# Altium PCB PCB_Project_Dangrangto.PcbDoc (part 1 of 2) (continued)
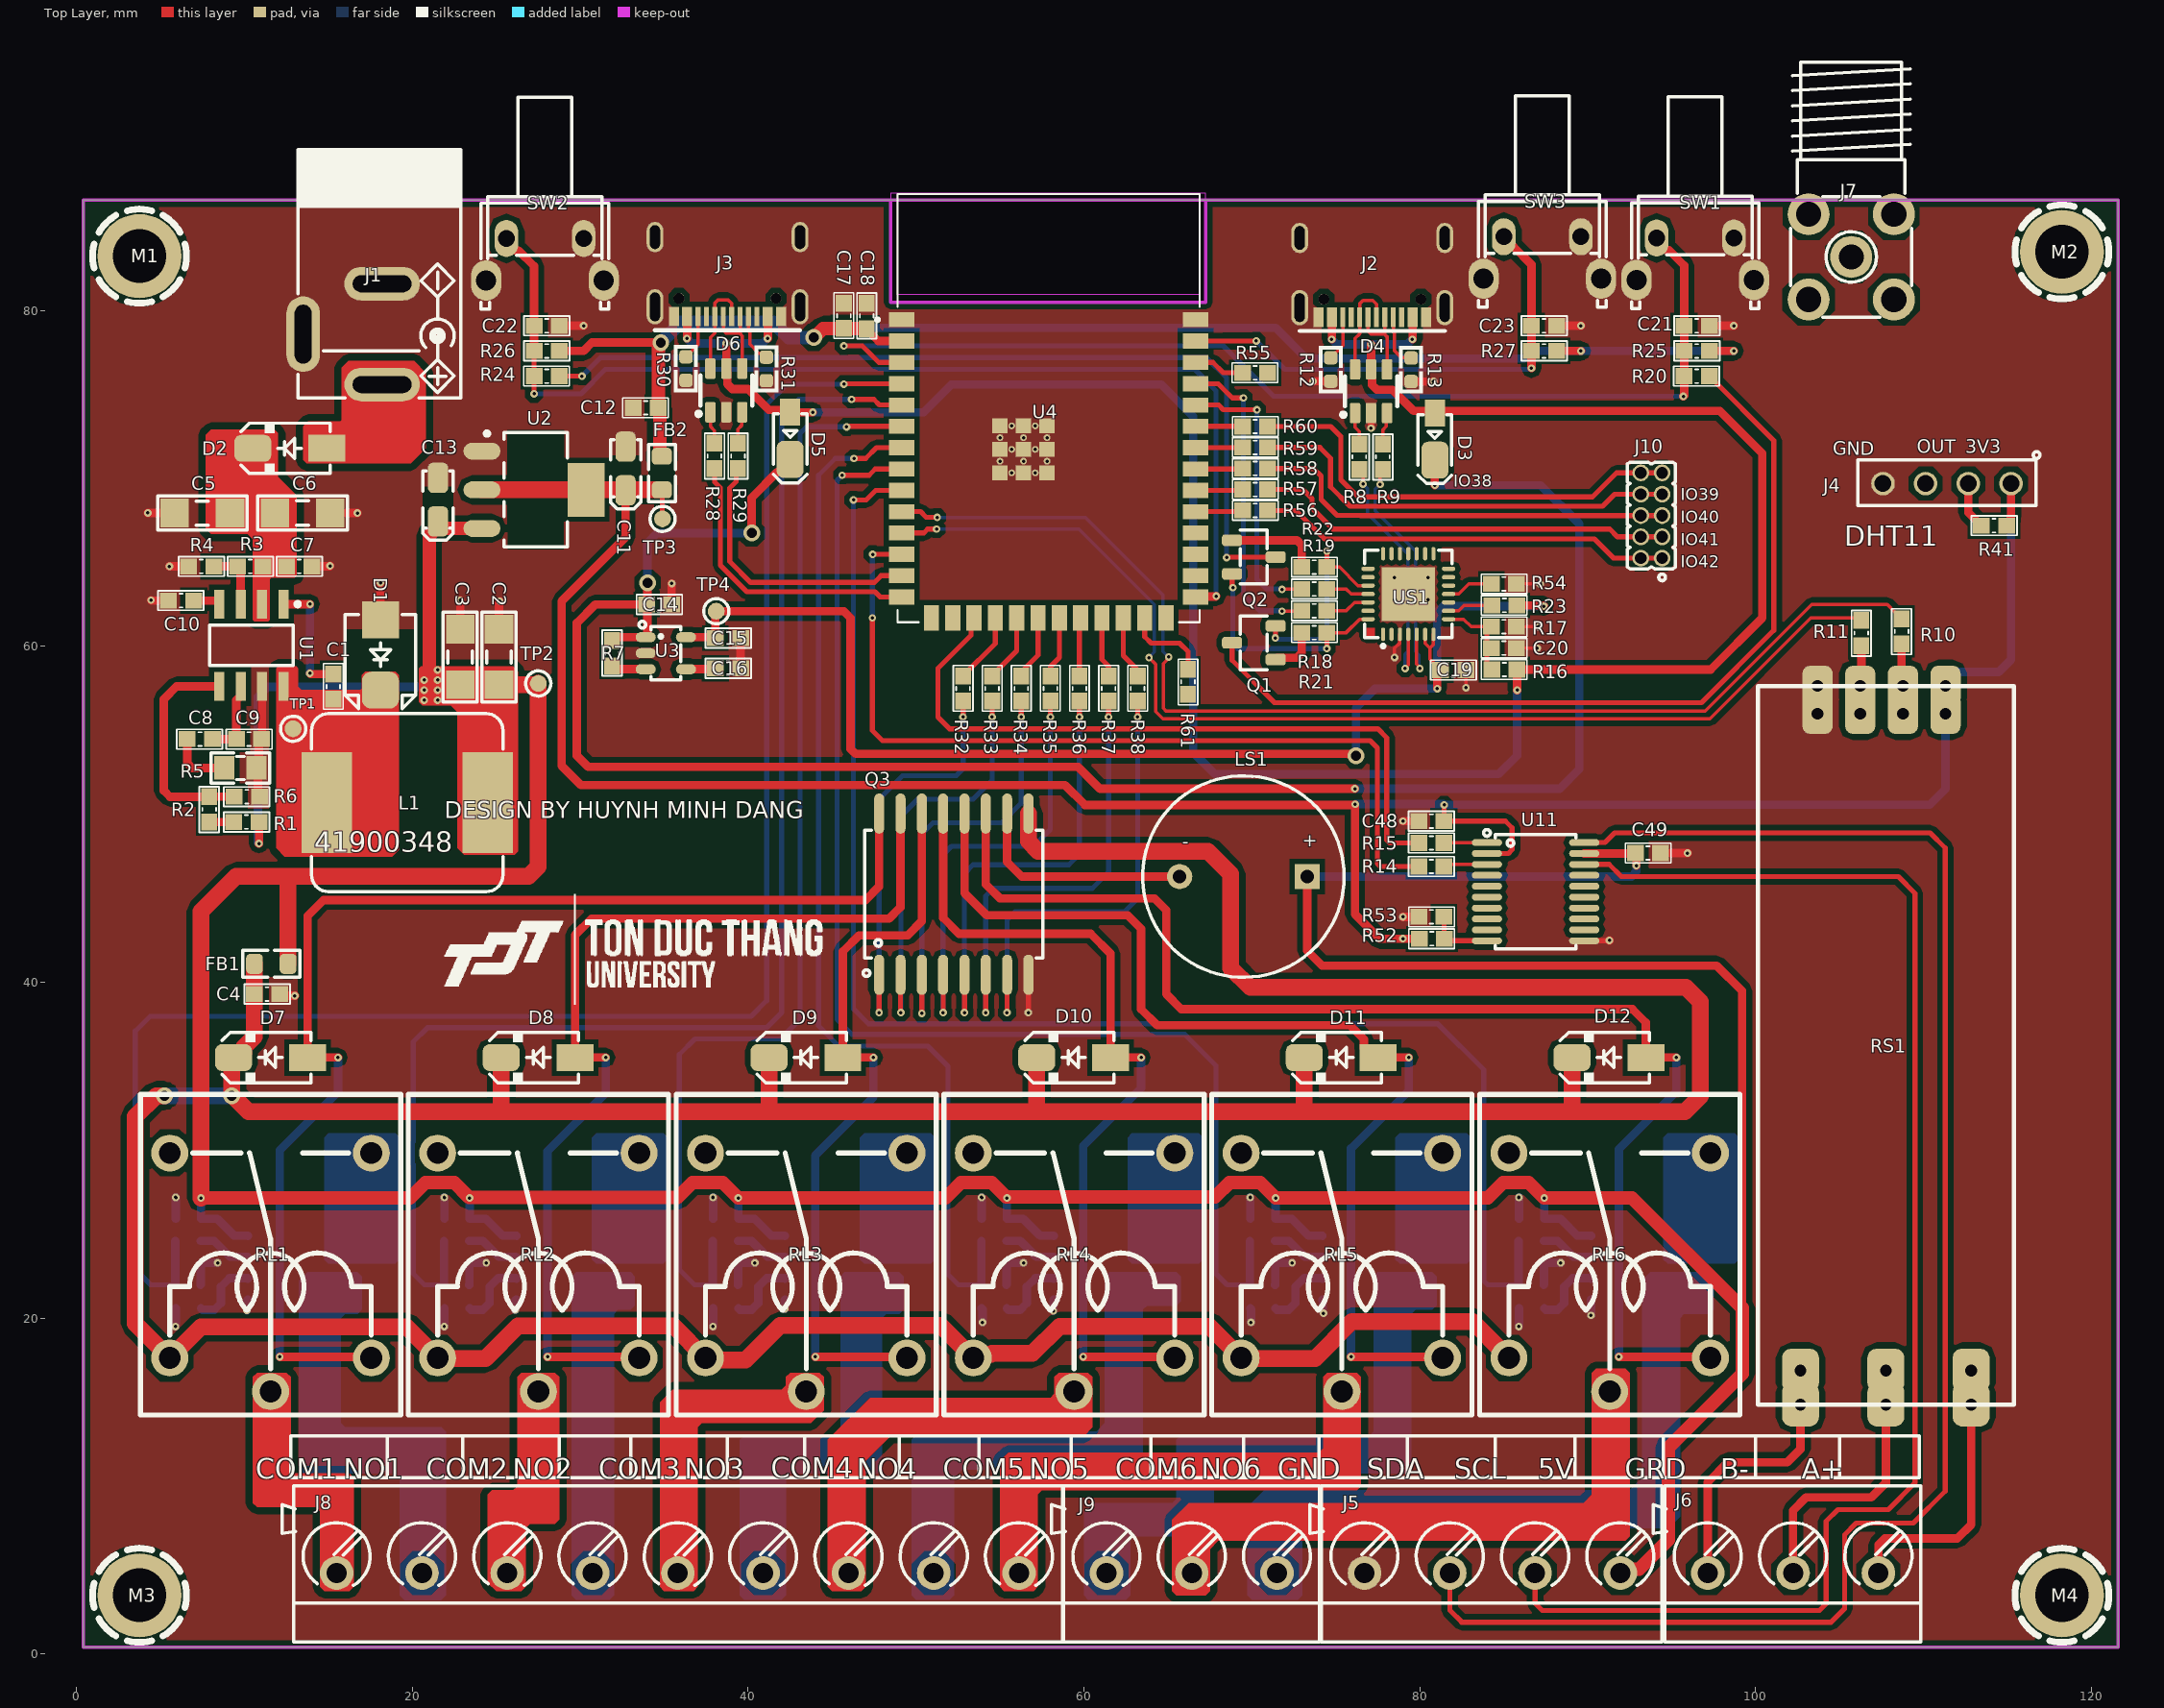
[diagram p0: Top Layer view]
## Components (designator, comment, footprint, x,y, rotation, side; value= is the part's Value field where it differs from the comment) (continued)
R57 "0R_0603_1%" "tro smd 0603" 70.2,69.35 r0 top
R58 "0R_0603_1%" "tro smd 0603" 70.2,70.6 r0 top
R59 "0R_0603_1%" "tro smd 0603" 70.2,71.85 r0 top
R60 "0R_0603_1%" "tro smd 0603" 70.2,73.1 r0 top
R61 "0R_0603_1%" "tro smd 0603" 66.2,57.9 r270 top
RL1 "Relay 5V/10A" RL_10A_5V 11.557,22.733 r90 top value="Relay SPDT, 10A, 12V"
RL2 "Relay 5V/10A" RL_10A_5V 27.508,22.733 r90 top value="Relay SPDT, 10A, 12V"
RL3 "Relay 5V/10A" RL_10A_5V 43.459,22.733 r90 top value="Relay SPDT, 10A, 12V"
RL4 "Relay 5V/10A" RL_10A_5V 59.411,22.733 r90 top value="Relay SPDT, 10A, 12V"
RL5 "Relay 5V/10A" RL_10A_5V 75.362,22.733 r90 top value="Relay SPDT, 10A, 12V"
RL6 "Relay 5V/10A" RL_10A_5V 91.313,22.733 r90 top value="Relay SPDT, 10A, 12V"
RS1 "RS485_VISION2" "RS485 - Version2" 91.25,79.75 r270 top
SW1 "PUSHBUTTON" SWPBT_SPST_R_6X6X10 96.407,84.328 r0 top
SW2 "PUSHBUTTON" SWPBT_SPST_R_6X6X10 27.9,84.3 r0 top
SW3 "PUSHBUTTON" SWPBT_SPST_R_6X6X10 87.3,84.4 r0 top
TP1 "TESTPOINT_PROBE" TEST_POINT_1.0X1.0MM 12.9,55.1 r0 top value=VALUE
TP2 "TESTPOINT_PROBE" TEST_POINT_1.0X1.0MM 27.5,57.8 r90 top value=VALUE
TP3 "TESTPOINT_PROBE" TEST_POINT_1.0X1.0MM 34.9,67.6 r0 top value=VALUE
TP4 "TESTPOINT_PROBE" TEST_POINT_1.0X1.0MM 38.1,62.1 r90 top value=VALUE
U1 "TPS54331DR_8SOIC" SOIC-8N 10.414,60.071 r270 top
U2 "LM1117IMP-3.3/NOPB" SOT223_4 27.348,69.331 r0 top value=LM1117MP-3.3
U3 "RT9193" SOT23_5 35.1,59.6 r0 top
U4 "ESP32-S3-WROOM-1-N8R8" XCVR_ESP32S3WROOM1N8R8 57.9,74.2 r0 top
U5 "ACS712_8SOIC" SO_8 13,23 r180 bottom value=ACS712
U6 "ACS712_8SOIC" SO_8 29,23 r180 bottom value=ACS712
U7 "ACS712_8SOIC" SO_8 45,23 r180 bottom value=ACS712
U8 "ACS712_8SOIC" SO_8 61,23 r180 bottom value=ACS712
U9 "ACS712_8SOIC" SO_8 77,23 r180 bottom value=ACS712
U10 "ACS712_8SOIC" SO_8 93,23 r180 bottom value=ACS712
U11 "TXS0108E" SOG65_20 86.9,45.4 r0 top
US1 "CP2102_QFN28" QFN50_28T 79.319,63.126 r90 top value=CP2102

## Footprints (in the part's own frame and the unit in brackets; to place one, negate y for a bottom-side part, rotate by r counter-clockwise, add the part's x,y. Pads: shape width x height; smd on the part's side, far side on the other; paste and mask are expansions set on the pad)
Buzzer [mm] "2PIN, 3.5mm pitch, 0.8mm pin width"
  rect 1.5x1.5 hole 0.8: 1(-3.8,0)
  round 1.5 hole 0.8: 2(3.8,0)
  silkscreen extent -6,-6 6,6, body extent -6.08,-6.01 9.37,5.99, height 9.65
C_TN_3216 [mm] "CAPACITOR, TAN A, 1206P, 3.2x1.6mm"
  rrect50% 1.8x1.2 smd mask+0.075: 1(-1.3,0) 2(1.3,0)
  Top Layer pour cut-out: -0.762,0.9 0.762,0.9 0.762,-0.9 -0.762,-0.9
  silkscreen extent -2.4,-0.9 1.7,0.9, body extent -1.7,-0.9 1.7,0.9, height 1.7
D_SMA [mm] "SMA Molded Diode, 2-Leads, Body 4.3x2.7mm, SOD-128"
  rect 2.2x1.6 smd: 1(-2.2,0)
  rrect50% 2.2x1.6 smd: 2(2.2,0)
  silkscreen extent -2.4,-1.5 2.9,1.5, body extent -2.75,-1.4 2.75,1.4, height 2.6
D_SMB [mm] "SMB Molded Diode, 2-Leads, Body 4.3x3.5mm"
  rect 2.2x2.2 smd: 1(-2.1,0)
  rrect50% 2.2x2.2 smd: 2(2.1,0)
  Top Layer pour cut-out: -1.524,2.1 -1.524,-2.1 1.524,-2.1 1.524,2.1
  silkscreen extent -2.4,-2.1 3.2,2.1, body extent -2.75,-1.95 2.75,1.95, height 2.45
D_SOD123W [mm] "PowerDI-123, SOD123, DO-213AA, 1206D"
  rect 1.6x1.2 smd mask+0.1: 1(-1.6,0)
  rrect50% 2.2x1.6 smd mask+0.1: 2(1.2,0)
  Top Layer pour cut-out: -1.016,1.1 -1.016,-1.1 1.016,-1.1 1.016,1.1
  silkscreen extent -1.5,-1 2.6,1, body extent -1.95,-0.97 1.95,0.96, height 1
HDR_F_1X4 [mm] "HEADER FEMALE pitch: 2.54mm"
  round 1.4 / inner round 1.4 / far side oval 1.4x2.2 hole 1 mask+0.1: 1(-3.81,0) 2(-1.27,0) 3(1.27,0) 4(3.81,0)
  silkscreen extent -5.54,-1.9 5.3,1.3, body extent -5.2,-1.3 5.21,1.2, height 8.5
HDRMINI_M_2X5 [mm] "mini header (50mil pitch)"
  round 1 hole 0.7 mask+0.05: 1(-2.54,-0.635) 2(-2.54,0.635) 3(-1.27,-0.635) 4(-1.27,0.635) 5(0,-0.635) 6(0,0.635) 7(1.27,-0.635) 8(1.27,0.635) 9(2.54,-0.635) 10(2.54,0.635)
  silkscreen extent -3.88,-1.43 3.18,1.43, body extent -3.17,-1.27 3.18,1.27, height 7.3
JAC_PWR2 [mm] "DC POWER JACK, Power Jack KLDX-0202"
  oval 4.5x2 hole 1 slot 3.5 at 0 deg: 1(0,0) 2(0,6)
  oval 2x4.5 hole 1 slot 3.5 at 90 deg: 3(-4.7,3)
  silkscreen extent -5,-0.8 4.7,14, body extent -4.9,-0.65 4.5,13.85, height 10.8
L0805 [mm] "INDUCTOR, FERRITE BEAD, 0805, 2.0X1.3mm"
  rrect50% 1x1.2 smd mask+0.075: 1(-1,0) 2(1,0)
  Top Layer pour cut-out: -0.5,0.8 0.5,0.8 0.5,-0.8 -0.5,-0.8
  silkscreen extent -1.7,-0.8 1.7,0.8, body extent -1,-0.6 1,0.6, height 0.95
L_10 [mm] "INDUCTOR, 10.5X11.5mm, CDRH104R, MSS1038 (coilcraft)"
  rect 3x6 smd: 1(-4.8,0) 2(4.8,0)
  silkscreen extent -5.7,-5.3 5.7,5.3, body extent -5.75,-5.15 5.75,5.15, height 4.01
QFN50_28T [mm] "QFN, 28, 5X5mm, 0.5mm"
  oval 0.8x0.25 smd mask+0.075: 1(-2.4,1.5) 2(-2.4,1) 3(-2.4,0.5) 4(-2.4,0) 5(-2.4,-0.5) 6(-2.4,-1) 7(-2.4,-1.5) 15(2.4,-1.5) 16(2.4,-1) 17(2.4,-0.5) 18(2.4,0) 19(2.4,0.5) 20(2.4,1) 21(2.4,1.5)
  oval 0.25x0.8 smd mask+0.075: 8(-1.5,-2.4) 9(-1,-2.4) 10(-0.5,-2.4) 11(0,-2.4) 12(0.5,-2.4) 13(1,-2.4) 14(1.5,-2.4) 22(1.5,2.4) 23(1,2.4) 24(0.5,2.4) 25(0,2.4) 26(-0.5,2.4) 27(-1,2.4) 28(-1.5,2.4)
  rect 3.2x3.2 smd mask+0.075: 29(0,0)
  Top Layer region: -2.5,2 -2,2 -2,2.5 -2.5,2.5
  silkscreen extent -3.2,-2.6 2.6,2.6, body extent -2.5,-2.5 2.5,2.5, height 1
R0603 [mm] "CHIP Resistor 1/10 WATT, 1.6x0.8mm, 0603, OPTIMIZED"
  rrect50% 0.8x0.8 smd mask+0.075: 1(-0.7,0) 2(0.7,0)
  Top Layer pour cut-out: -0.5,0.4 0.5,0.4 0.5,-0.4 -0.5,-0.4
  silkscreen extent -1.4,-0.7 1.4,0.7, body extent -0.85,-0.4 0.85,0.4, height 0.56
RL_10A_5V [mm] "Relay SRD-05VDC-SL-C, 5 pin, 10A,19.1X15.5"
  round 2.2 hole 1.3 mask+0.1: 1(-7.1,0) 2(7.1,6) 3(7.1,-6) 4(-5.1,-6) 5(-5.1,6)
  silkscreen extent -8.5,-7.75 10.6,7.75, body extent -8.39,-7.61 10.71,7.89, height 15.6
"RS485 - Version2" [mm]
  rrect50% 2.4x1.8 hole 0.7: 1(22.098,12.446) 1(23.749,12.446) 2(22.098,14.986) 2(23.749,14.986) 3(22.098,17.526) 3(23.749,17.526) 4(22.098,20.066) 4(23.749,20.066)
  rrect50% 2.6x2.2 hole 0.7: 5(62.865,21.59) 5(64.897,21.59) 6(62.865,16.51) 6(64.897,16.51) 7(62.865,11.43) 7(64.897,11.43)
  silkscreen extent 22.1,8.89 64.9,24.13, body extent 21.46,9.4 65.46,23.4, height 2.5
SCMH_M3FT [mm] "SCREW mouting, M3, 3.0mm diameter and 6.0mm, FlatHead"
  round 5 / inner round 3.5 / far side round 5 hole 3.2 mask+0.1: 1(0,0)
  Top Layer pour cut-out: 0,3 -1.148,2.772 -2.121,2.121 -2.772,1.148 -3,0 -3,0 -2.772,-1.148 -2.121,-2.121 -1.148,-2.772 0,-3 0,-3 1.5,-2.598 2.598,-1.5 3,0 3,0 2.772,1.148 2.121,2.121 1.148,2.772 0,3
  Bottom Layer pour cut-out: 0,3 -1.148,2.772 -2.121,2.121 -2.772,1.148 -3,0 -3,0 -2.772,-1.148 -2.121,-2.121 -1.148,-2.772 0,-3 0,-3 1.5,-2.598 2.598,-1.5 3,0 3,0 2.772,1.148 2.121,2.121 1.148,2.772 0,3
  silkscreen extent -2.8,-2.8 2.8,2.8
SMA_RA [mm] "CONN, RF, COAX, SMA, RIGHT ANGLE THD"
  round 2.5 hole 1.5: 1(0,0) 2(-2.54,-2.54) 3(2.54,-2.54) 4(2.54,2.54) 5(-2.54,2.54)
  silkscreen extent -3.6,-3.6 3.6,11.6, body extent -3.5,-3.54 3.5,11.56, height 10.26
SO_8 [mm] "SOP-8, 5x3.9mm body 1.27mm pitch, SOT96-1, M08A, S8, SOIC8, VO8, MS-012AA(JEDEC), R-8, 8S2, VOG8"
  oval 2x0.6 smd: 1(-2.8,1.905) 2(-2.8,0.635) 3(-2.8,-0.635) 4(-2.8,-1.905) 5(2.8,-1.905) 6(2.8,-0.635) 7(2.8,0.635) 8(2.8,1.905)
  silkscreen extent -2.8,-2.7 2.1,2.8, body extent -3,-2.45 3,2.45, height 1.7
SO_16_W [mm] "SOP, SOIC, 7.5mm width, 1.27mm pitch,"
  oval 2.4x0.6 smd: 1(-4.8,4.445) 2(-4.8,3.175) 3(-4.8,1.905) 4(-4.8,0.635) 5(-4.8,-0.635) 6(-4.8,-1.905) 7(-4.8,-3.175) 8(-4.8,-4.445) 9(4.8,-4.445) 10(4.8,-3.175) 11(4.8,-1.905) 12(4.8,-0.635) 13(4.8,0.635) 14(4.8,1.905) 15(4.8,3.175) 16(4.8,4.445)
  silkscreen extent -4.9,-5.3 3.8,5.4, body extent -5.21,-5.25 5.42,5.25, height 2.62
SOG65_20 [mm] "PW TSSOP (TI), MO-153-AC (JEDEC), 20Lead, pitch: 0.65mm, 6.5x4.4x1.2mm"
  oval 1.8x0.4 smd mask+0.075: 1(-2.9,2.925) 2(-2.9,2.275) 3(-2.9,1.625) 4(-2.9,0.975) 5(-2.9,0.325) 6(-2.9,-0.325) 7(-2.9,-0.975) 8(-2.9,-1.625) 9(-2.9,-2.275) 10(-2.9,-2.925) 11(2.9,-2.925) 12(2.9,-2.275) 13(2.9,-1.625) 14(2.9,-0.975) 15(2.9,-0.325) 16(2.9,0.325) 17(2.9,0.975) 18(2.9,1.625) 19(2.9,2.275) 20(2.9,2.925)
  silkscreen extent -3.1,-3.4 2.4,3.7, body extent -3.2,-3.25 3.2,3.25, height 1.2
SOIC-8N [mm] "SOIC, 8-Leads, Body 4.9x3.9mm, Pitch 1.27mm, IPC High Density"
  rect 1.7x0.6 smd: 1(-2.45,1.905) 2(-2.45,0.635) 3(-2.45,-0.635) 4(-2.45,-1.905) 5(2.45,-1.905) 6(2.45,-0.635) 7(2.45,0.635) 8(2.45,1.905)
  silkscreen extent -2.57,-2.5 1.2,2.88, body extent -3.1,-2.41 3.1,2.41, height 1.7
SOT23_3 [mm] "SOT-23, Micro3, MO-178, TO-236AB, MO-193C, SuperSOT3, SC-59, 1.5x3mm, Pitch 1.9mm"
  rrect50% 1.2x0.7 smd mask+0.1: 1(-1.3,1) 2(-1.3,-1) 3(1.3,0)
  silkscreen extent -0.8,-1.6 0.8,1.6, body extent -1.32,-1.5 1.32,1.5, height 1.08
SOT23_5 [mm] "SOT-23-5, SOT25, SOT-25, DBV(R-PDSO-G5), SOT753, TSOT23-5, SC-74A, SOT23-5, S5-T (LINEAR), MO-178AA, MO-193AB(JEDEC), MF05A (NS), TSOP-5(ON), UJ-5 (AD), 1.5x3mm, Pitch 0.65mm"
  oval 1.2x0.6 smd: 1(-1.2,0.95) 2(-1.2,0) 3(-1.2,-0.95) 4(1.2,-0.95) 5(1.2,0.95)
  silkscreen extent -1.6,-1.6 0.9,1.9, body extent -1.25,-1.5 1.25,1.5, height 1.15
SOT223_4 [mm] "SOT223, 4-Leads, Body 6.5x3.5mm, Pitch 2.30mm"
  oval 2.2x1 smd: 1(-3.2,2.3) 2(-3.2,0) 3(-3.2,-2.3)
  rect 2.2x3.2 smd: 4(3,0)
  Top Layer pour cut-out: -1.7,3.556 1.7,3.556 1.7,-3.556 -1.7,-3.556
  silkscreen extent -3.02,-3.4 1.9,3.47, body extent -3.5,-3.25 3.5,3.25, height 1.7
SOT-23-6_L2.9-W1.6-P0.95-LS2.8-BR [mm]
  rrect30% 1.22x0.62 smd: 1(1.3,-0.95) 2(1.3,0) 3(1.3,0.95) 4(-1.3,0.95) 5(-1.3,0) 6(-1.3,-0.95)
  silkscreen extent -0.9,-1.78 1.52,1.55, body extent -1.4,-1.45 1.4,1.45, height 1.45
SWPBT_SPST_R_6X6X10 [mm] "SWITCH, PUSHBUTTON, THD, SPST, 6X6mm, RIGHT ANGLE"
  oval 1.4x2.2 hole 1 mask+0.1: 1(-2.3,0) 2(2.3,0)
  oval 1.8x2.4 hole 1.2 mask+0.1: MH1(-3.5,-2.5) MH2(3.5,-2.5)
  silkscreen extent -3.8,-4.2 3.8,8.4, body extent -3.7,-4.15 3.7,8.35, height 7
TBB_3 [mm] "Terminal Block Blue"
  round 2 / inner round 2 / far side rect 2.4x3 hole 1.2: 1(-5.08,0)
  round 2 / inner round 2 / far side oval 2.4x3 hole 1.2: 2(0,0) 3(5.08,0)
  silkscreen extent -7.6,-5.2 8.34,4.1, body extent -7.49,-5.07 8.33,4, height 12.78
TBB_4 [mm] "Terminal Block Blue"
  round 2 / inner round 2 / far side rect 2.4x3 hole 1.2: 1(-7.62,0)
  round 2 / inner round 2 / far side oval 2.4x3 hole 1.2: 2(-2.54,0) 3(2.54,0) 4(7.62,0)
  silkscreen extent -10.1,-5.2 10.88,4.1, body extent -10.03,-5.03 10.87,4.04, height 12.52
TBB_9 [mm] "Terminal Block Blue"
  round 2 / inner round 2 / far side rect 2.4x3 hole 1.2: 1(-20.32,0)
  round 2 / inner round 2 / far side oval 2.4x3 hole 1.2: 2(-15.24,0) 3(-10.16,0) 4(-5.08,0) 5(0,0) 6(5.08,0) 7(10.16,0) 8(15.24,0) 9(20.32,0)
  silkscreen extent -22.9,-5.2 23.58,4.1, body extent -22.76,-5.05 23.54,4.01, height 12.52
TEST_POINT_1.0X1.0MM [mm]
  round 1 smd: 1(0,0)
  silkscreen extent -0.75,-0.75 0.75,0.75
"tro smd 0603" [mm] "Chip Capacitor, 2-Leads, Body 1,60x0,80mm, IPC Medium Density"
  rect 1x0.95 smd mask+0.076: 1(-0.75,0) 2(0.75,0)
  silkscreen extent -1.35,-0.58 1.37,0.58, body extent -0.82,-0.42 0.82,0.43, height 0.44
"tro smd 0805" [mm]
  rect 1.2x1.4 smd: 1(-0.946,-0.061) 2(0.954,-0.061)
  silkscreen extent -1.75,-0.97 1.75,0.84, body extent -1.56,-0.76 1.44,0.64, height 0.53
"tu 0603" [mm] "Chip Capacitor, 2-Leads, Body 1,60x0,80mm, IPC Medium Density"
  rect 1x0.95 smd mask+0.076: 1(-0.75,0) 2(0.75,0)
  silkscreen extent -1.35,-0.58 1.37,0.58, body extent -0.8,-0.4 0.8,0.4, height 0.9
"tu 1206" [mm]
  rect 1.7x1.7 smd: 1(-1.65,0) 2(1.65,0)
  silkscreen extent -2.67,-1.02 2.67,1.02, body extent -1.57,-0.8 1.63,0.8, height 0.94
USB-C-SMD_TYPE-C16PIN [mm]
  oval 1x2.099 hole 0.6 slot 1.7 at 90 deg: 1(4.295,-1.762) 2(-4.345,-1.762)
  oval 1x1.799 hole 0.6 slot 1.4 at 90 deg: 3(4.295,2.388) 4(-4.345,2.388)
  rect 0.6x1.15 smd mask+0.051: A1B12(3.175,-2.337) A4B9(2.375,-2.337) B1A12(-3.225,-2.337) B4A9(-2.425,-2.337)
  rect 0.3x1.15 smd mask+0.051: A5(1.225,-2.337) A6(0.225,-2.337) A7(-0.275,-2.337) A8(1.725,-2.337) B5(-1.775,-2.337) B6(-0.775,-2.337) B7(0.725,-2.337) B8(-1.275,-2.337)
  round 0.65 hole 0.65 unplated: ""(-2.915,-1.262) ""(2.865,-1.262)
  silkscreen extent -4.34,-3.15 4.29,-3.15, body extent -4.5,-2.91 4.45,4.99, height 3.16
XCVR_ESP32S3WROOM1N8R8 [mm]
  rect 1.5x0.9 smd: 1(-8.75,5.26) 2(-8.75,3.99) 3(-8.75,2.72) 4(-8.75,1.45) 5(-8.75,0.18) 6(-8.75,-1.09) 7(-8.75,-2.36) 8(-8.75,-3.63) 9(-8.75,-4.9) 10(-8.75,-6.17) 11(-8.75,-7.44) 12(-8.75,-8.71) 13(-8.75,-9.98) 14(-8.75,-11.25) 27(8.75,-11.25) 28(8.75,-9.98) 29(8.75,-8.71) 30(8.75,-7.44) 31(8.75,-6.17) 32(8.75,-4.9) 33(8.75,-3.63) 34(8.75,-2.36) 35(8.75,-1.09) 36(8.75,0.18) 37(8.75,1.45) 38(8.75,2.72) 39(8.75,3.99) 40(8.75,5.26)
  rect 0.9x1.5 smd: 15(-6.985,-12.5) 16(-5.715,-12.5) 17(-4.445,-12.5) 18(-3.175,-12.5) 19(-1.905,-12.5) 20(-0.635,-12.5) 21(0.635,-12.5) 22(1.905,-12.5) 23(3.175,-12.5) 24(4.445,-12.5) 25(5.715,-12.5) 26(6.985,-12.5)
  rect 0.9x0.9 smd: 41_1(-1.5,-2.46) 41_2(-2.9,-2.46) 41_3(-0.1,-2.46) 41_4(-2.9,-3.86) 41_5(-1.5,-3.86) 41_6(-0.1,-3.86) 41_7(-2.9,-1.06) 41_8(-1.5,-1.06) 41_9(-0.1,-1.06)
  round 0.4 hole 0.2 mask+0: 41_10(-1.5,-1.76) 41_11(-2.9,-1.76) 41_12(-0.1,-1.76) 41_13(-2.9,-3.16) 41_14(-1.5,-3.16) 41_15(-0.1,-3.16) 41_16(-2.2,-1.06) 41_17(-0.8,-1.06) 41_18(-2.2,-2.46) 41_19(-0.8,-2.46) 41_20(-2.2,-3.86) 41_21(-0.8,-3.86)
  Keep-Out Layer region: 9,6.75 -9,6.75 -9,12.75 9,12.75
  Keep-Out Layer region: 9,6.75 -9,6.75 -9,12.75 9,12.75
  silkscreen extent -10.3,-12.75 9,12.75, body extent -9,-12.75 9,12.75, height 3.25

## Part data
C1 C4 C7 C8 C9 C12 C14 C15 C16 C17 C18 C19 C20 C21 C22 C23 C30 C31 C32 C33 C34 C35 C36 C37 C38 C39 C40 C41 C42 C43 C44 C45 C46 C47 C48 C49: library part "Tu 0603 470pF 50V 10%", "Capacitor, Ceramic, 50V", Chung_Loai=Dán, Don_Vi=Con, So_Chan=2, Ten_Linh_Kien="Tụ 0603 470P 50V 10%"
  C1 C4 C12 C17 C21 C22 C23 C30 C31 C32 C33 C36 C37 C38 C39 C42 C43 C44 C45 C48 C49: Ma_Hang=100nF
  C7: Ma_Hang=0.01uF
  C8: Ma_Hang=1000pF
  C9: Ma_Hang=47pF
  C14 C15 C20: Ma_Hang=1uF
  C16: Ma_Hang=22nF
  C18: Ma_Hang=22uF
  C19: Ma_Hang=10uF
  C34 C35 C40 C41 C46 C47: Ma_Hang=1nF
C2 C3 C5 C6: library part "Tu 1206 103 50V 10%", "Capacitor, Ceramic, 50V", Chung_Loai=Dán, Don_Vi=Con, So_Chan=2, Ten_Linh_Kien="Tụ 1206 103-10nF 10% 50V"
  C2 C3: Ma_Hang=47uF
  C5 C6: Ma_Hang=4.7uF
C10: library part "Tu 0603 470pF 50V 10%", "CAP SMD 0603", Chung_Loai=Dán, Don_Vi=Con, Ma_Hang=0.01uH, So_Chan=2, Ten_Linh_Kien="Tụ 0603 470P 50V 10%"
C11: library part CAP_SMD_TAN_10uF_6.3V, "CAP, SMD, TAN", MANF=VISHAY, MANF_P#=T55A106M6R3C0300, PARAM="20%, 300mOhm, -55~105oC", PARAM2=6.3V, PRICE=0.46$
C13: library part CAP_SMD_TAN_10uF_10V, "CAP, SMD, TAN", MANF=VISHAY, MANF_P#=T55A106M010C0300, PARAM="20%, 300mOhm, -55~105oC", PARAM2=10V, PRICE=0.46$
D1: library part DIODE_SMD_SCHOTTKY_SS34, "DIODE, SCHOTTKY, 20V, 3A", ASSEMBLY=ASSEMBLY, DESC=DESCRIPTION, MANF=VISHAY, MANF_P#=SS34, PARAM=20V, PARAM2=3A, PRICE=PRICE
D2: library part DIODE_SMD_SCHOTTKY_1N5822, "DIODE, SCHOTTKY, 40V, 3A", ASSEMBLY=ASSEMBLY, DESC=DESCRIPTION, MANF=DIODES, MANF_P#=1N5822, PARAM=40V, PARAM2=3A, PRICE=PRICE
D3 D5: library part DIODE_SMD_SCHOTTKY_1N5819, "DIODE, SCHOTTKY, 40V, 1A", ASSEMBLY=ASSEMBLY, DESC=DESCRIPTION, MANF=DIODES, MANF_P#=1N5819HW-7-F, PARAM=40V, PARAM2=1A, PRICE=PRICE
D4 D6: library part ESD_TPUSBLC6-2SC6, "ESD ROHS SOT23-6 DIODES", LCSC Part Number=C558442, Manufacturer="TECH PUBLIC", Package=SOT-23-6, Assembly Type="SMT Assembly", Manufacturer Part Number=TPUSBLC6-2SC6
D7 D8 D9 D10 D11 D12: library part DIODE_SMD_1N4007, "DIODE, GENERAL PURPOSE, 1000V/1A", ASSEMBLY=ASSEMBLY, DESC=DESCRIPTION, MANF=Kingtronics, MANF_P#=M7, PARAM="1000V VRRM", PARAM2=1A, PRICE=PRICE
FB1 FB2: library part FBEAD_SMD_BLM21PG221, "FERRITE_Bead, 0805, 2A, 50mOhm, 220@100MHz", MANF=MURATA, MANF_P#=BLM15AG121SN1D, PARAM=220@100MHz, PARAM2="2A, 50mOhm"
J1: library part CONN_PWR_JACKR2, "CONN, PWR JACK DC, PLUG DIAM 2.0MM RA THD", MANF="CUI STACK", MANF_P#="PJ-202A, PJ-002AH, PJ-102AH, KLDX-0202"
J2 J3: "5A 1 Surface Mount 16 Female -25℃~+85℃ Type-C SMD USB Connectors ROHS", LCSC Part Number=C2765186, Manufacturer="SHOU HAN", Manufacturer Part Number=TYPE-C16PIN, Package=SMD, Assembly Type="SMT Assembly"
J4: library part HDR_F_1X4, "CONN, HEADER, Female, pitch: 2.54mm, 4POS"
J5 J6 J8 J9: "CONN, TERMINAL BLOCK, 5.08mm pitch"
J7: library part CONN_RF_SMA_RA, "CONN, RF, SMA, Right Angle", ASSEMBLY=ASSEMBLY, DESC=DESCRIPTION, DIST#=DIGIKEY, MANF=Samtec, MANF_P#=SMA-J-P-H-RA-TH1, PARAM="50Ohm, 20GHz", PARAM2=GOLD, PRICE=6.3$
J10: library part HDRMINI_M_2X5, "CONN, HEADER, Male, pitch: 1.27mm, 10POS"
L1: library part INDPWR_SMD, "INDUCTOR, POWER, SMD"
LS1: "Magnetic Transducer Buzzer", ComponentLink1Description="Manufacturer Link", ComponentLink1URL=http://www.megastar.com/linecard/buzzmode/index.php, DatasheetDocument=17-Dec-2003, LatestRevisionDate=17-Dec-2003, LatestRevisionNote="Schematic revised, PCB Footprint replaced.", PackageReference=ABSM-1574, Published=24-Mar-1999, Publisher="Altium Limited"
M1 M2 M3 M4: library part SCMH_M3FT, "SCREW mouting, M3, 3.0mm diameter and 6.0mm, FlatHead", ASSEMBLY=DNP
Q1 Q2: library part NPN_MMBT8050_SOT23, "BJT, NPN, 25v, 1.5A, SMD, SOT23", MANF=GALAXY, MANF_P#=MMBT8050, PARAM="25v, 1.5A", PARAM2=300mW, PRICE=0.09t@JAVAN
Q3: "Darlington, 7-CH, 50V, 0.5A", MANF=DIODES, MANF_P#=ULN2003A, PARAM="7-CH, 50V, 0.5A", PARAM2=-
R1 R2 R3 R4 R6 R7 R8 R9 R10 R11 R14 R15 R16 R17 R18 R19 R20 R21 R22 R23 R24 R25 R26 R27 R28 R29 R32 R33 R34 R35 R36 R37 R38 R39 R40 R41 R42 R43 R44 R45 R46 R47 R48 R49 R50 R51 R52 R53 R54 R55 R56 R57 R58 R59 R60 R61: library part "Tro 0603 5% 10k", "RES SMD 0603", Chung_Loai=Dán, Don_Vi=Con, So_Chan=2, Ten_Linh_Kien="Trở 0603 5% 10k"
  R1 R8 R9 R10 R11 R14 R15 R18 R19 R20 R24 R28 R29 R32 R33 R34 R35 R36 R37 R38 R55 R56 R57 R58 R59 R60 R61: Ma_Hang=0R
  R2: Ma_Hang=6K8
  R3 R7 R21 R22 R39 R40 R42 R43 R44 R45 R46 R47 R48 R49 R50 R51 R54: Ma_Hang=10K
  R4 R23 R25 R26 R27 R41 R52 R53: Ma_Hang=1K
  R6: Ma_Hang=1K3
  R16: Ma_Hang=22.1K
  R17: Ma_Hang=47.5K
R5: library part "Tro 0805 1% 5.1k", "Dán", Chung_Loai=Dán, Don_Vi=Con, Ma_Hang=29.4K, So_Chan=2, Ten_Linh_Kien="Trở 0805 1% 5.1k"
R12 R13 R30 R31: library part RES_SMD_0603, "RESISTOR, SMD", ASSEMBLY=ASSEMBLY, DESC=DESCRIPTION, DIST#=MOUSER, MANF=-, MANF_P#=-, PARAM=-W, PARAM2=1%, PRICE="100= 0.5$"
RL1 RL2 RL3 RL4 RL5 RL6: library part "Relay 5V10A", "Relay SPDT,10A - 12VDC 5 Pin"
SW1 SW2 SW3: library part SWPBT_SPST_R_6X6X10, "SWITCH, PUSH BUTTON, TACTILE, THD, SPST, RIGHT", ASSEMBLY=ASSEMBLY, DESC=DESCRIPTION, MANF=-, MANF_P#=-, PARAM=50mA/12VDC, PRICE=0.3$
TP1 TP2 TP3 TP4: "TEST POINT", MANF=MANF, MANF_P#=MANF_P#
U1: library part TPS54331DR, "IC REG BUCK ADJ 3A 8SOIC"
U2: library part VREG_1117_SOT223, "REG, Linear, LDO1V, 0.8A, SOT-223", MANF="TI, ON, ST", MANF_P#="LD1117, LM1117, AMS1117, TLV1117, REG1117, NCP1117, LT1117, SPX1117", PARAM="LDO1V, 0.8A", PARAM2=1.2/1.5/1.8/2.5/2.85/3.3/5V
U3: library part VREG_LDO_SOT23_5, "REG, Linear, LDO, SOT-23-5", MANF=-, MANF_P#="AS1353, MIC5504YM5, MCP1824T-3302E/OT, ADP122AUJZ, TLV70233DBVR, LDK130M33R, NCP603SN, AP2210K, AP7331, AP2125K, RP114N"
U4: "Bluetooth, WiFi 802.11b/g/n, Bluetooth v5.0 Transceiver Module 2.4GHz PCB Trace Surface Mount", Package=None, Availability="In Stock", Check_prices=https://www.snapeda.com/parts/ESP32-S3-WROOM-1-N8R8/Espressif+Systems/view-part/?ref=eda, MF="Espressif Systems", MP=ESP32-S3-WROOM-1-N8R8, PRICE=None, Purchase-URL=https://pricing.snapeda.com/search?q=ESP32-S3-WROOM-1-N8R8&ref=eda, SnapEDA_Link=https://www.snapeda.com/parts/ESP32-S3-WROOM-1-N8R8/Espressif+Systems/view-part/?ref=snap
U5 U6 U7 U8 U9 U10: library part ACS712, "IC, CURRENT SENSOR, HALL EFFECT", MANF=Allegro, MANF_P#=ACS712, PARAM="66~185mV/A, 20/30A max, -40~85oC", PARAM2="5Vcc, 80KHz BW"
U11: library part TXS0108_SSOP20, "Level Translator, Octal", MANF="Texas Instruments", MANF_P#=TXS0108EPWR
US1: "USB-UART BRIDGE", ASSEMBLY=ASSEMBLY, DESC=DESCRIPTION, MANF="SILICON LABS", MANF_P#=CP2102, PARAM2=3.3V, PRICE=PRICE

## Via types
v1: diameter 0.45, hole 0.2, Top Layer to Bottom Layer, 152 vias
v2: diameter 1, hole 0.6, Top Layer to Bottom Layer, 7 vias

## Nets (pads, with @x,y where several pads share a name; then routed paths per layer and width w, separated by ;. In a path a pad name is that pad's centre, name@x,y a point inside that pad or via, vN(x,y) a via of type N, cw(c..) or ccw(c..) an arc to the next point about the centre after c; other vN are vias at no path point)
3V3: C11.1 C48.1 FB2.1 J4.1 R41.2 R52.2 RS1.4 TP3.1 U2.2 U2.4 U11.2 | length 157.5
  Top Layer w0.3: FB2.1@34.861,69.329 35.094,69.096 34.99,69.096 34.88,68.987 34.88,67.62 TP3.1@34.9,67.6 ; v1(81.456,50.569) 81.456,49.606 C48.1@81.45,49.6 85.1,49.6 85.5,49.2 85.5,47.9 85.275,47.675 U11.2@84,47.675
  Top Layer w0.5: C11.1@32.7,69.3 32.7,66.5 28.9,62.7 28.9,52.9 30.046,51.754 58.872,51.754 60.06,50.566 76.113,50.566 v1(76.152,50.605) 76.152,44.048 77.6,42.6 v1(79,42.6) R52.2@79.975,42.6 ; R41.2@114.95,67.2 114.975,67.2 115.2,67.425 115.2,67.708 115.21,67.718 J4.1@115.21,69.7
  Top Layer w1: U2.2@24.148,69.331 U2.4@30.348,69.331 32.7,69.331 34.759,69.331 34.761,69.329 FB2.1@34.861,69.329
  Bottom Layer w0.5: v1(76.152,50.605) 76.171,50.624 81.4,50.624 v1(81.456,50.569) 110.369,50.569 111.316,51.516 RS1.4@111.316,56.001 RS1.4@111.316,57.652 111.316,57.844 111.951,58.479 114.477,58.479 115.21,59.212 J4.1@115.21,69.7
3V3_MCU: C12.1 C17.1 C18.1 FB2.2 R25.2 R26.2 R27.2 U4.2 | length 88
  Top Layer w0.5: R26.2@28.75,77.6 30.2,77.6 30.704,78.104 v2(34.8,78.104) ; C18.1@47.063,78.934 47.063,78.887 C18.1@47.104,78.846 ; C18.1@47.104,78.917 C18.1@47.104,78.846 ; U4.2@49.15,78.19 47.76,78.19 C18.1@47.104,78.846 ; R27.2@88.15,77.6 v1(89.6,77.6) ; R25.2@97.25,77.6 v1(98.7,77.6)
  Top Layer w0.8: v2(34.8,78.104) 34.8,78.05 34.65,77.9 34.65,74.29 34.645,74.285 C12.1@34.645,74.215 34.67,74.215 34.745,74.14 34.745,71.429 34.845,71.329 FB2.2@34.861,71.329 ; v2(43.9,78.4) 43.935,78.4 44.469,78.934 C18.1@47.063,78.934 ; C17.1@45.7,78.95 C17.1@45.7,78.975
  Bottom Layer w0.5: v2(43.9,78.4) 44.481,78.981 71.419,78.981 73.246,77.154 86.2,77.154 86.646,77.6 v1(89.6,77.6) v1(98.7,77.6)
  Bottom Layer w0.8: v2(34.8,78.104) 35.996,79.3 41.5,79.3 42.4,78.4 v2(43.9,78.4)
5V: C2.1 C3.1 C13.1 C30.1 C31.1 C36.1 C37.1 C42.1 C43.1 C49.1 FB1.1 J5.1 L1.2 LS1.1 R1.2 TP2.1 U2.3 U5.8 U6.8 U7.8 U8.8 U9.8 U10.8 U11.19 | length 307.3
  Top Layer w0.5: v1(10.861,48.271) 10.867,48.277 R1.2@10.867,49.547 ; LS1.1@73.3,46.3 73.3,41.887 74.187,41 97.689,41 99.2,39.489 99.2,20.6 ; U11.19@89.8,47.675 92.825,47.675 C49.1@92.85,47.7 92.9,47.65 v1(92.9,46.954)
  Top Layer w0.8: v1(7.412,27.162) 19.862,27.162 20.779,28.079 22.495,28.079 23.374,27.2 35.8,27.2 36.679,28.079 38.495,28.079 v1(39.412,27.162) 51.762,27.162 52.679,28.079 54.495,28.079 55.363,27.211 67.811,27.211 68.679,28.079 70.495,28.079 v1(71.412,27.162) 84.062,27.162 84.979,28.079 86.495,28.079 v1(87.412,27.162) 92.638,27.162 99.2,20.6 99.2,16.7 94.8,12.3 94.8,6.8 93.056,5.056 92.178,5.056 J5.1@91.948,4.826 ; 21,58.5 21,66.611 21.531,67.142 21.531,67.231 21.731,67.031 U2.3@24.148,67.031
  Top Layer w1: v1(7.412,27.162) 7.412,44.212 9.5,46.3 26.914,46.3 27.5,46.886 TP2.1@27.5,57.8 27.426,57.726 C2.1@25.165,57.726 ; FB1.1@12.6,41.1 12.6,46.3
  Bottom Layer w0.5: v1(7.412,27.162) C30.1@7.412,25.921 8.38,25.921 9.377,24.924 10.181,24.924 U5.8@10.2,24.905 ; v1(10.861,48.271) 10.8,48.331 10.8,57 11.4,57.6 20.7,57.6 v1(20.7,58) ; v1(23.412,27.162) C31.1@23.412,25.921 24.38,25.921 25.377,24.924 26.181,24.924 U6.8@26.2,24.905 ; v1(39.412,27.162) C36.1@39.412,25.921 40.38,25.921 41.377,24.924 42.181,24.924 U7.8@42.2,24.905 ; v1(55.412,27.162) C37.1@55.412,25.921 56.38,25.921 57.377,24.924 58.181,24.924 U8.8@58.2,24.905 ; v1(71.412,27.162) C42.1@71.412,25.921 72.38,25.921 73.377,24.924 74.181,24.924 U9.8@74.2,24.905 ; LS1.1@73.3,46.3 92.607,46.3 92.9,46.593 v1(92.9,46.954) ; v1(87.412,27.162) C43.1@87.412,25.921 88.38,25.921 89.377,24.924 90.181,24.924 U10.8@90.2,24.905
  other v1: 20.7,56.8 21.5,56.8 20.7,57.4 21.5,57.4 21.5,58 21.5,58.6
5V_RELAY: C4.1 D7.2 D8.2 D9.2 D10.2 D11.2 D12.2 FB1.2 Q3.9 RL1.5 RL2.5 RL3.5 RL4.5 RL5.5 RL6.5 | length 276.2
  Top Layer w1: v2(5.25,33.25) 4.75,33.25 3.5,32 3.5,19.69 RL1.5@5.557,17.633 7.411,19.487 19.654,19.487 RL2.5@21.508,17.633 21.541,17.6 24.36,17.6 26.301,19.541 35.551,19.541 RL3.5@37.459,17.633 37.588,17.504 39.841,17.504 41.907,19.57 51.473,19.57 53.181,17.863 54.489,17.863 54.526,17.9 56.938,17.9 58.563,19.525 67.47,19.525 RL5.5@69.362,17.633 69.395,17.6 73.759,17.6 75.959,19.8 83.146,19.8 RL6.5@85.083,17.863 ; v2(9.25,33.25) 9.25,35.416 D7.2@9.357,35.523 ; v2@9.357,33.186 10.243,32.3 25.2,32.3 ; D7.2@9.657,35.523 9.957,35.823 9.957,36.123 10.595,36.761 C4.1@10.595,39.303 10.6,39.308 FB1.2@10.6,41.1 ; D8.2@25.299,35.523 25.299,32.399 25.2,32.3 ; D9.2@41.241,35.523 41.241,32.441 41.1,32.3 ; Q3.9@56.695,50.05 56.695,48.39 57.281,47.804 67.396,47.804 68.75,46.45 68.75,40.85 69.9,39.7 95.856,39.7 96.7,38.856 96.7,33.2 95.8,32.3 89.068,32.3 ; D10.2@57.183,35.523 57.183,32.417 57.3,32.3 ; D11.2@73.126,35.523 73.126,32.374 73.2,32.3 ; D12.2@89.068,35.523 89.068,32.3 ; 25.2,32.3 41.1,32.3 ; 41.1,32.3 57.3,32.3 ; 57.3,32.3 73.2,32.3 ; 73.2,32.3 89.068,32.3
  Bottom Layer w1: v2(5.25,33.25) v2(9.25,33.25)
12V: C5.1 C6.1 C7.1 D2.2 R3.2 U1.2
A+: J6.1 RS1.5 | length 16.9
  Top Layer w0.5: J6.1@107.315,4.826 107.315,6.51 107.687,6.882 112.017,6.882 112.84,7.706 RS1.5@112.84,14.853 RS1.5@112.84,16.885
B-: J6.2 RS1.6 | length 14.6
  Top Layer w0.5: J6.2@102.235,4.826 102.235,8.548 103.012,9.325 106.897,9.325 107.76,10.188 RS1.6@107.76,14.853
COM1: J8.9 RL1.1
COM2: J8.7 RL2.1
COM3: J8.5 RL3.1
COM4: J8.3 RL4.1
COM5: J8.1 RL5.1
COM6: J9.2 RL6.1
CONFIG: C23.1 R27.1 SW3.1 U4.39 | length 29.3
  Top Layer w0.3: U4.39@66.65,78.19 68.29,78.19 68.291,78.191 v1(70.262,78.191)
  Top Layer w0.5: SW3.1@85,84.4 85,84.244 85.416,83.828 85.572,83.828 86.65,82.75 C23.1@86.65,79.1 R27.1@86.65,77.6 v1(86.65,76.573)
  Bottom Layer w0.3: v1(70.262,78.191) 71.953,76.5 86.47,76.5 86.515,76.545 v1@86.621,76.545
DTR: Q2.2 R21.2 US1.28 | length 13.7
  Top Layer w0.2: R21.2@74.469,60.826 75.619,60.826 76.419,61.626 US1.28@76.919,61.626
  Top Layer w0.3: Q2.2@68.819,64.326 68.819,63.592 68.871,63.541 v1(68.871,63.5) ; R21.2@74.469,60.826 v1(74.469,59.876) v1@74.519,59.826
  Bottom Layer w0.3: v1(68.871,63.5) 68.871,60.174 69.169,59.876 v1(74.469,59.876)
EN: C21.1 R20.2 R25.1 SW1.1 U4.3 | length 65.3
  Top Layer w0.3: v1(45.7,77.9) 46.8,77.9 47.78,76.92 U4.3@49.15,76.92
  Top Layer w0.5: SW1.1@94.107,84.328 94.107,84.172 94.676,83.603 94.832,83.603 95.75,82.685 C21.1@95.75,79.1 R25.1@95.75,77.6 R20.2@95.75,76.1 95.75,74.95 v1(95.7,74.9)
  Bottom Layer w0.3: v1(45.7,77.9) 68.3,77.9 71.3,74.9 v1(95.7,74.9)